# Altium PCB BananaBoard_PCB_4_LAYERS.PcbDoc (part 1 of 3)
Units mil, origin at the board's own origin, x right, y up, seen from the top; angles counter-clockwise.
Board outline 2710.63 x 4110.24 mil, 4 copper layers (ETCH_TOP, ETCH_2_GND, ETCH_3_POWER, ETCH_BOTTOM), stack 63.2 mil thick; 391 components, 164 nets, 1036 pads, 659 vias.
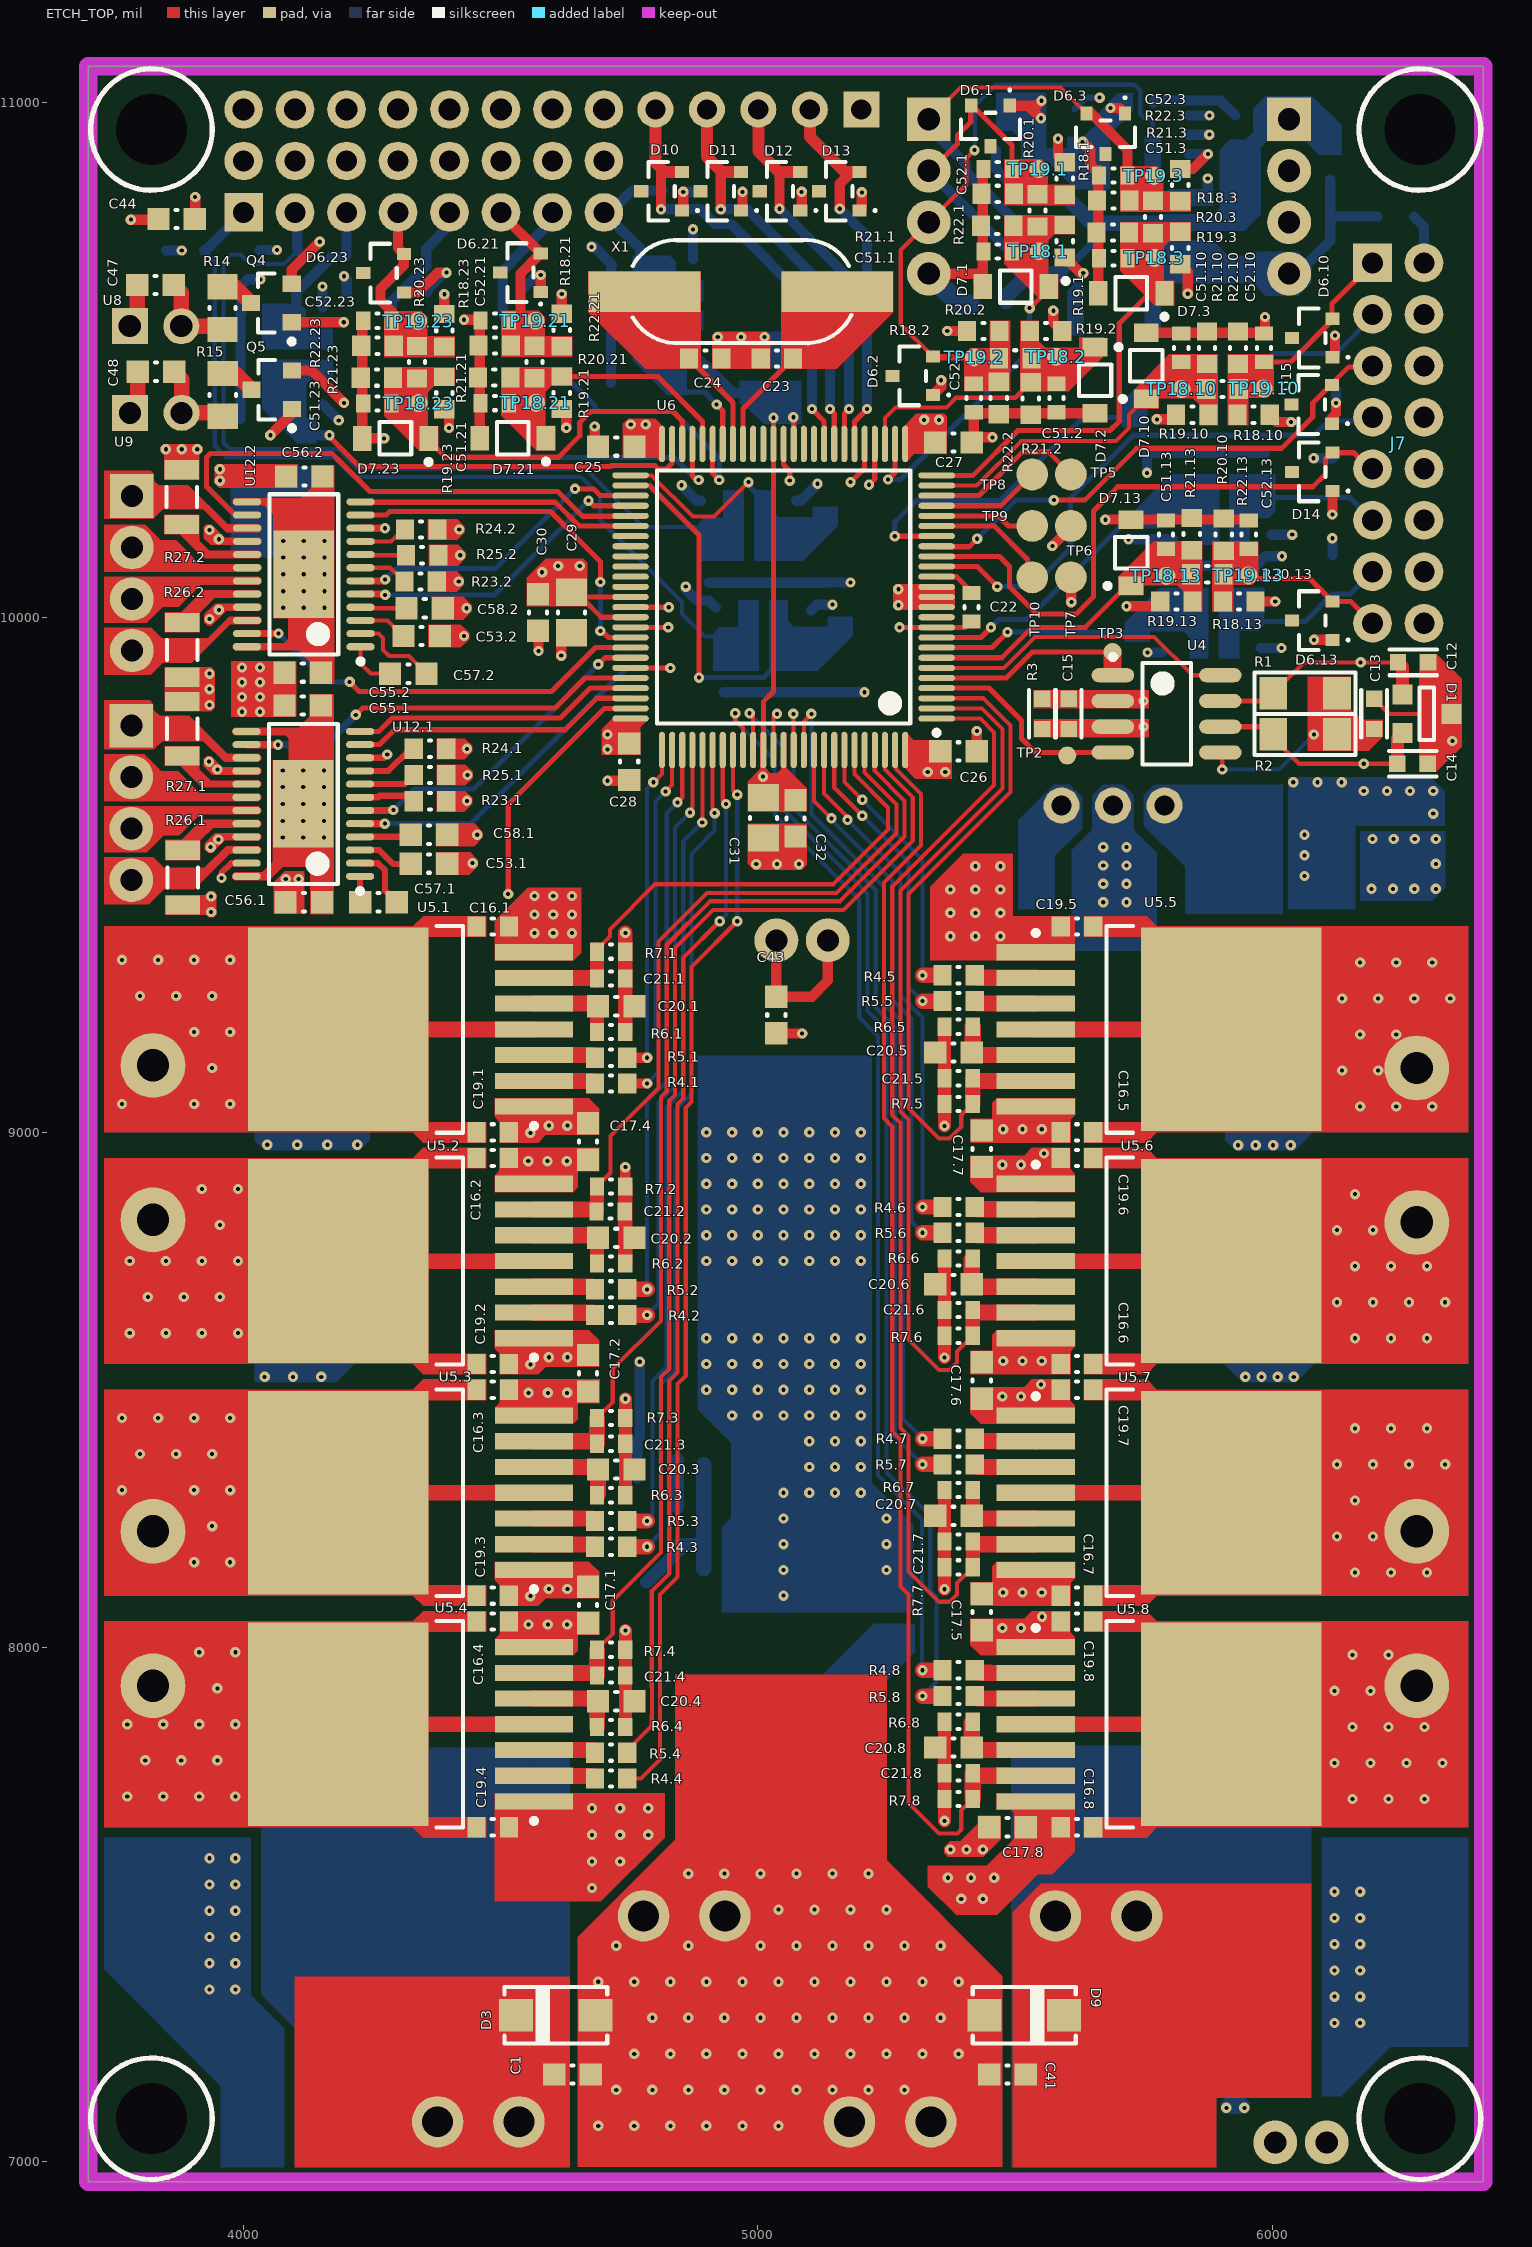
[diagram p0: ETCH_TOP view]
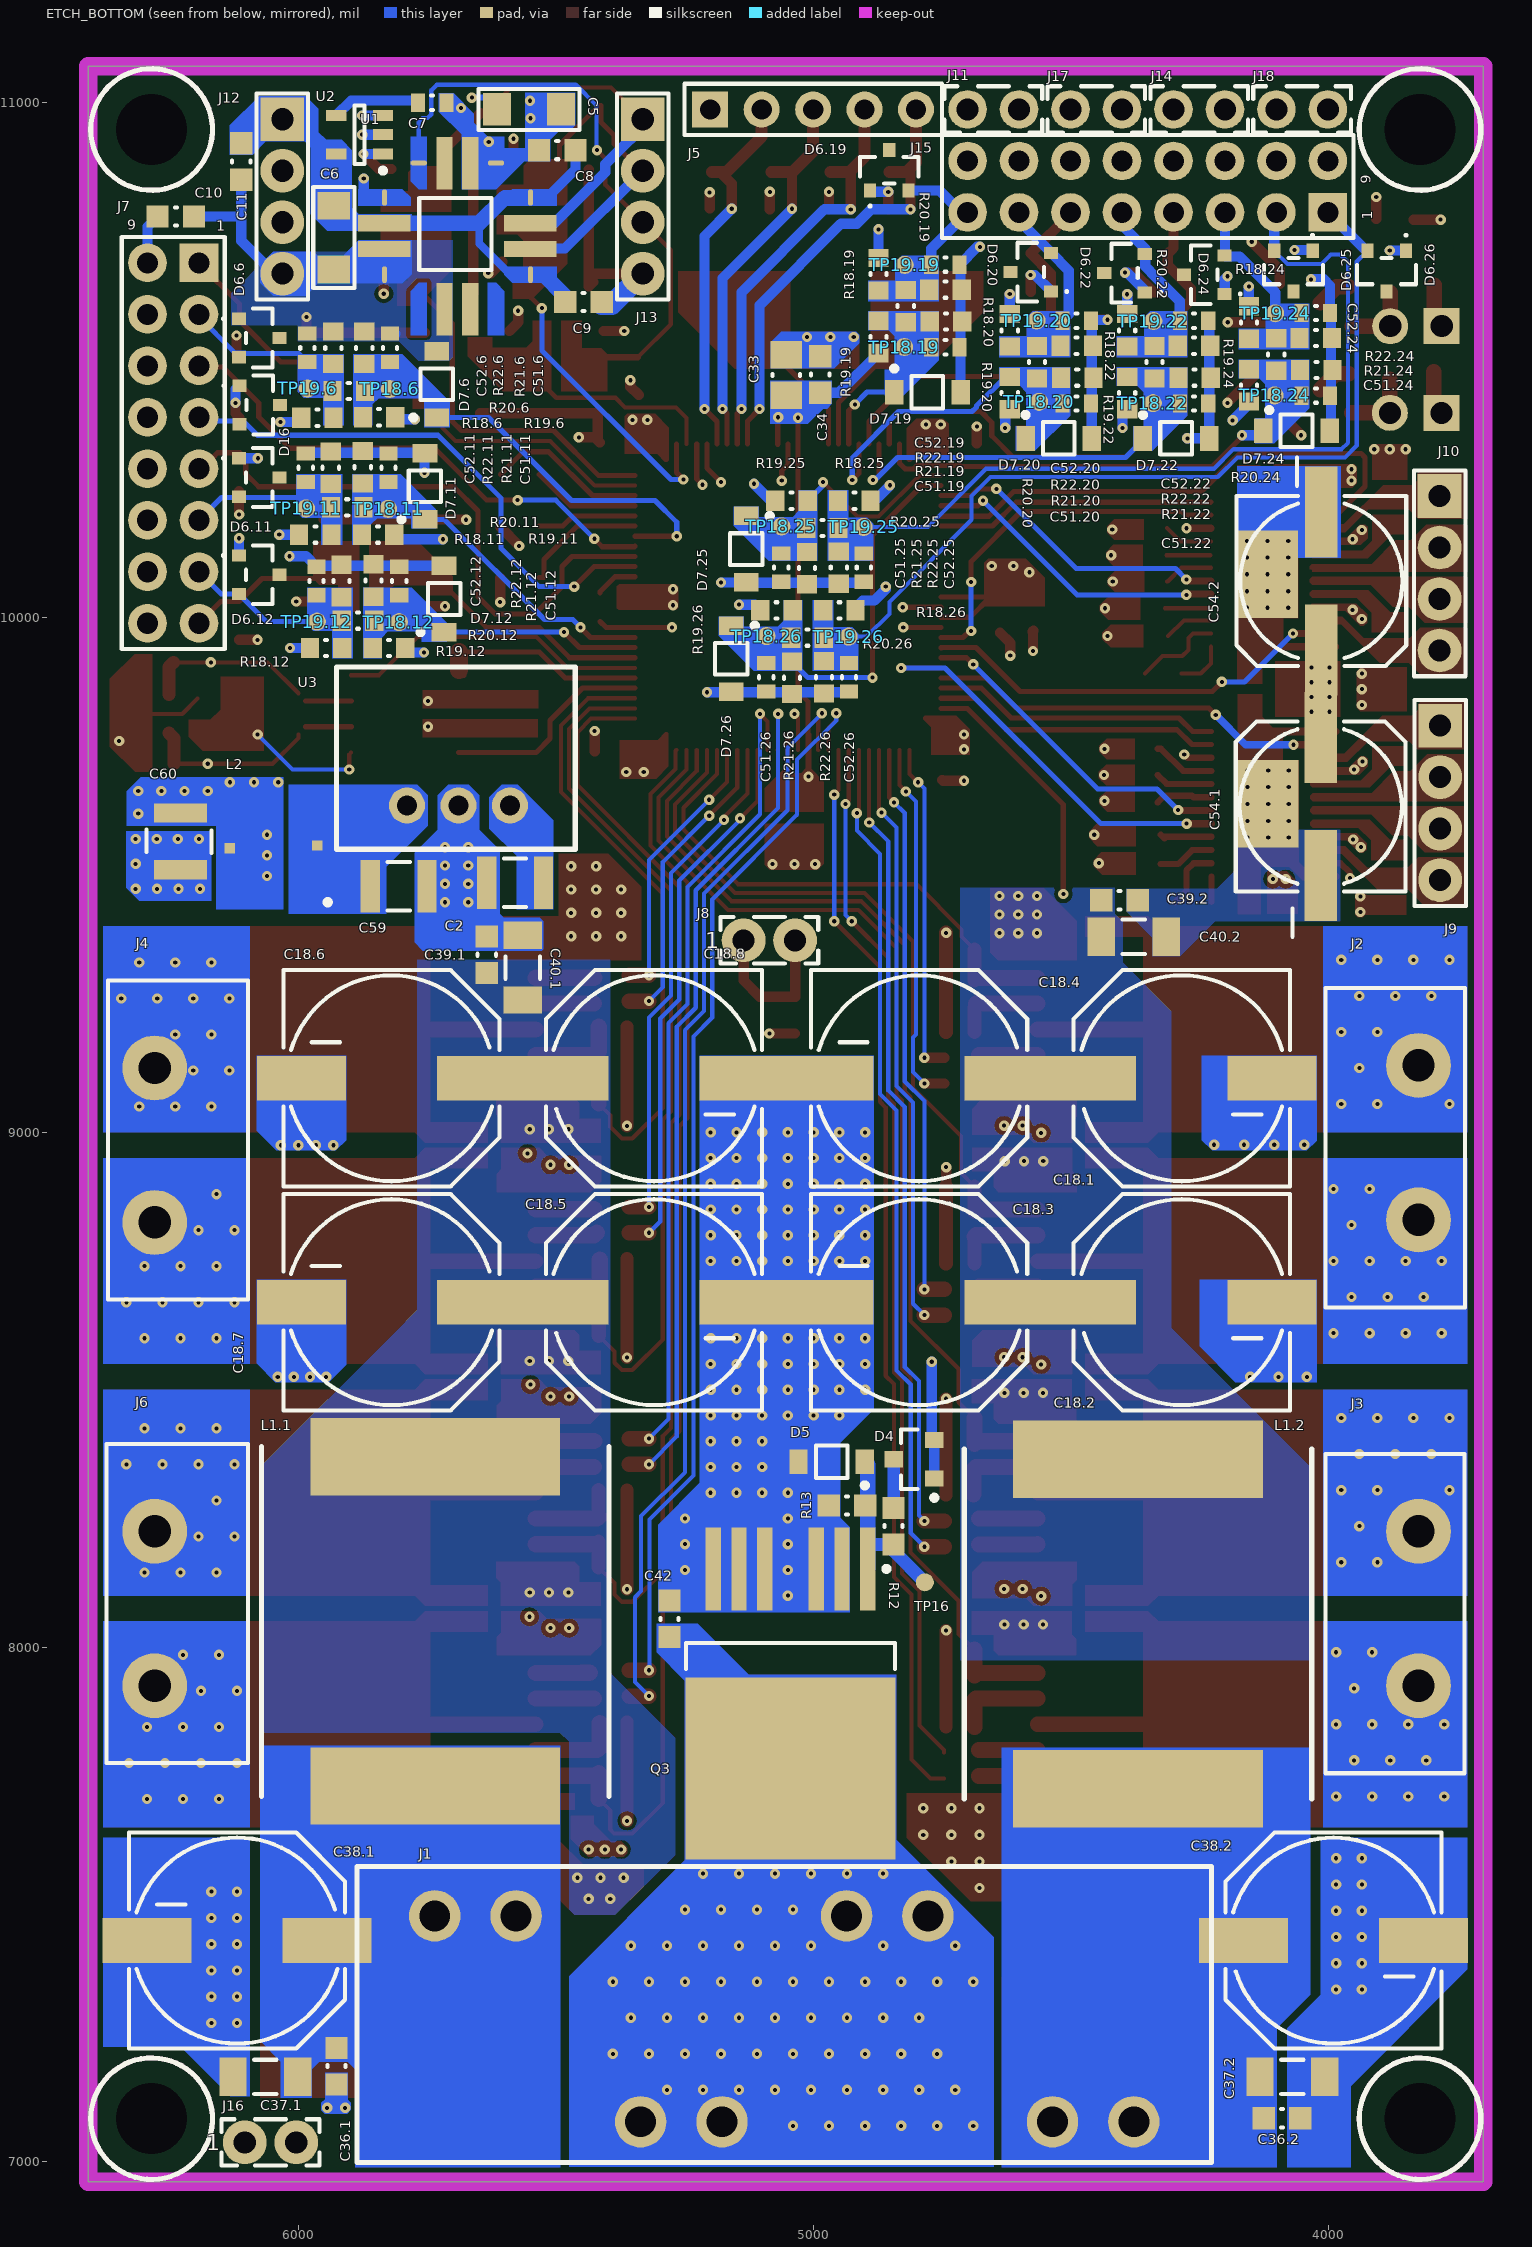
[diagram p1: ETCH_BOTTOM view, seen from below]
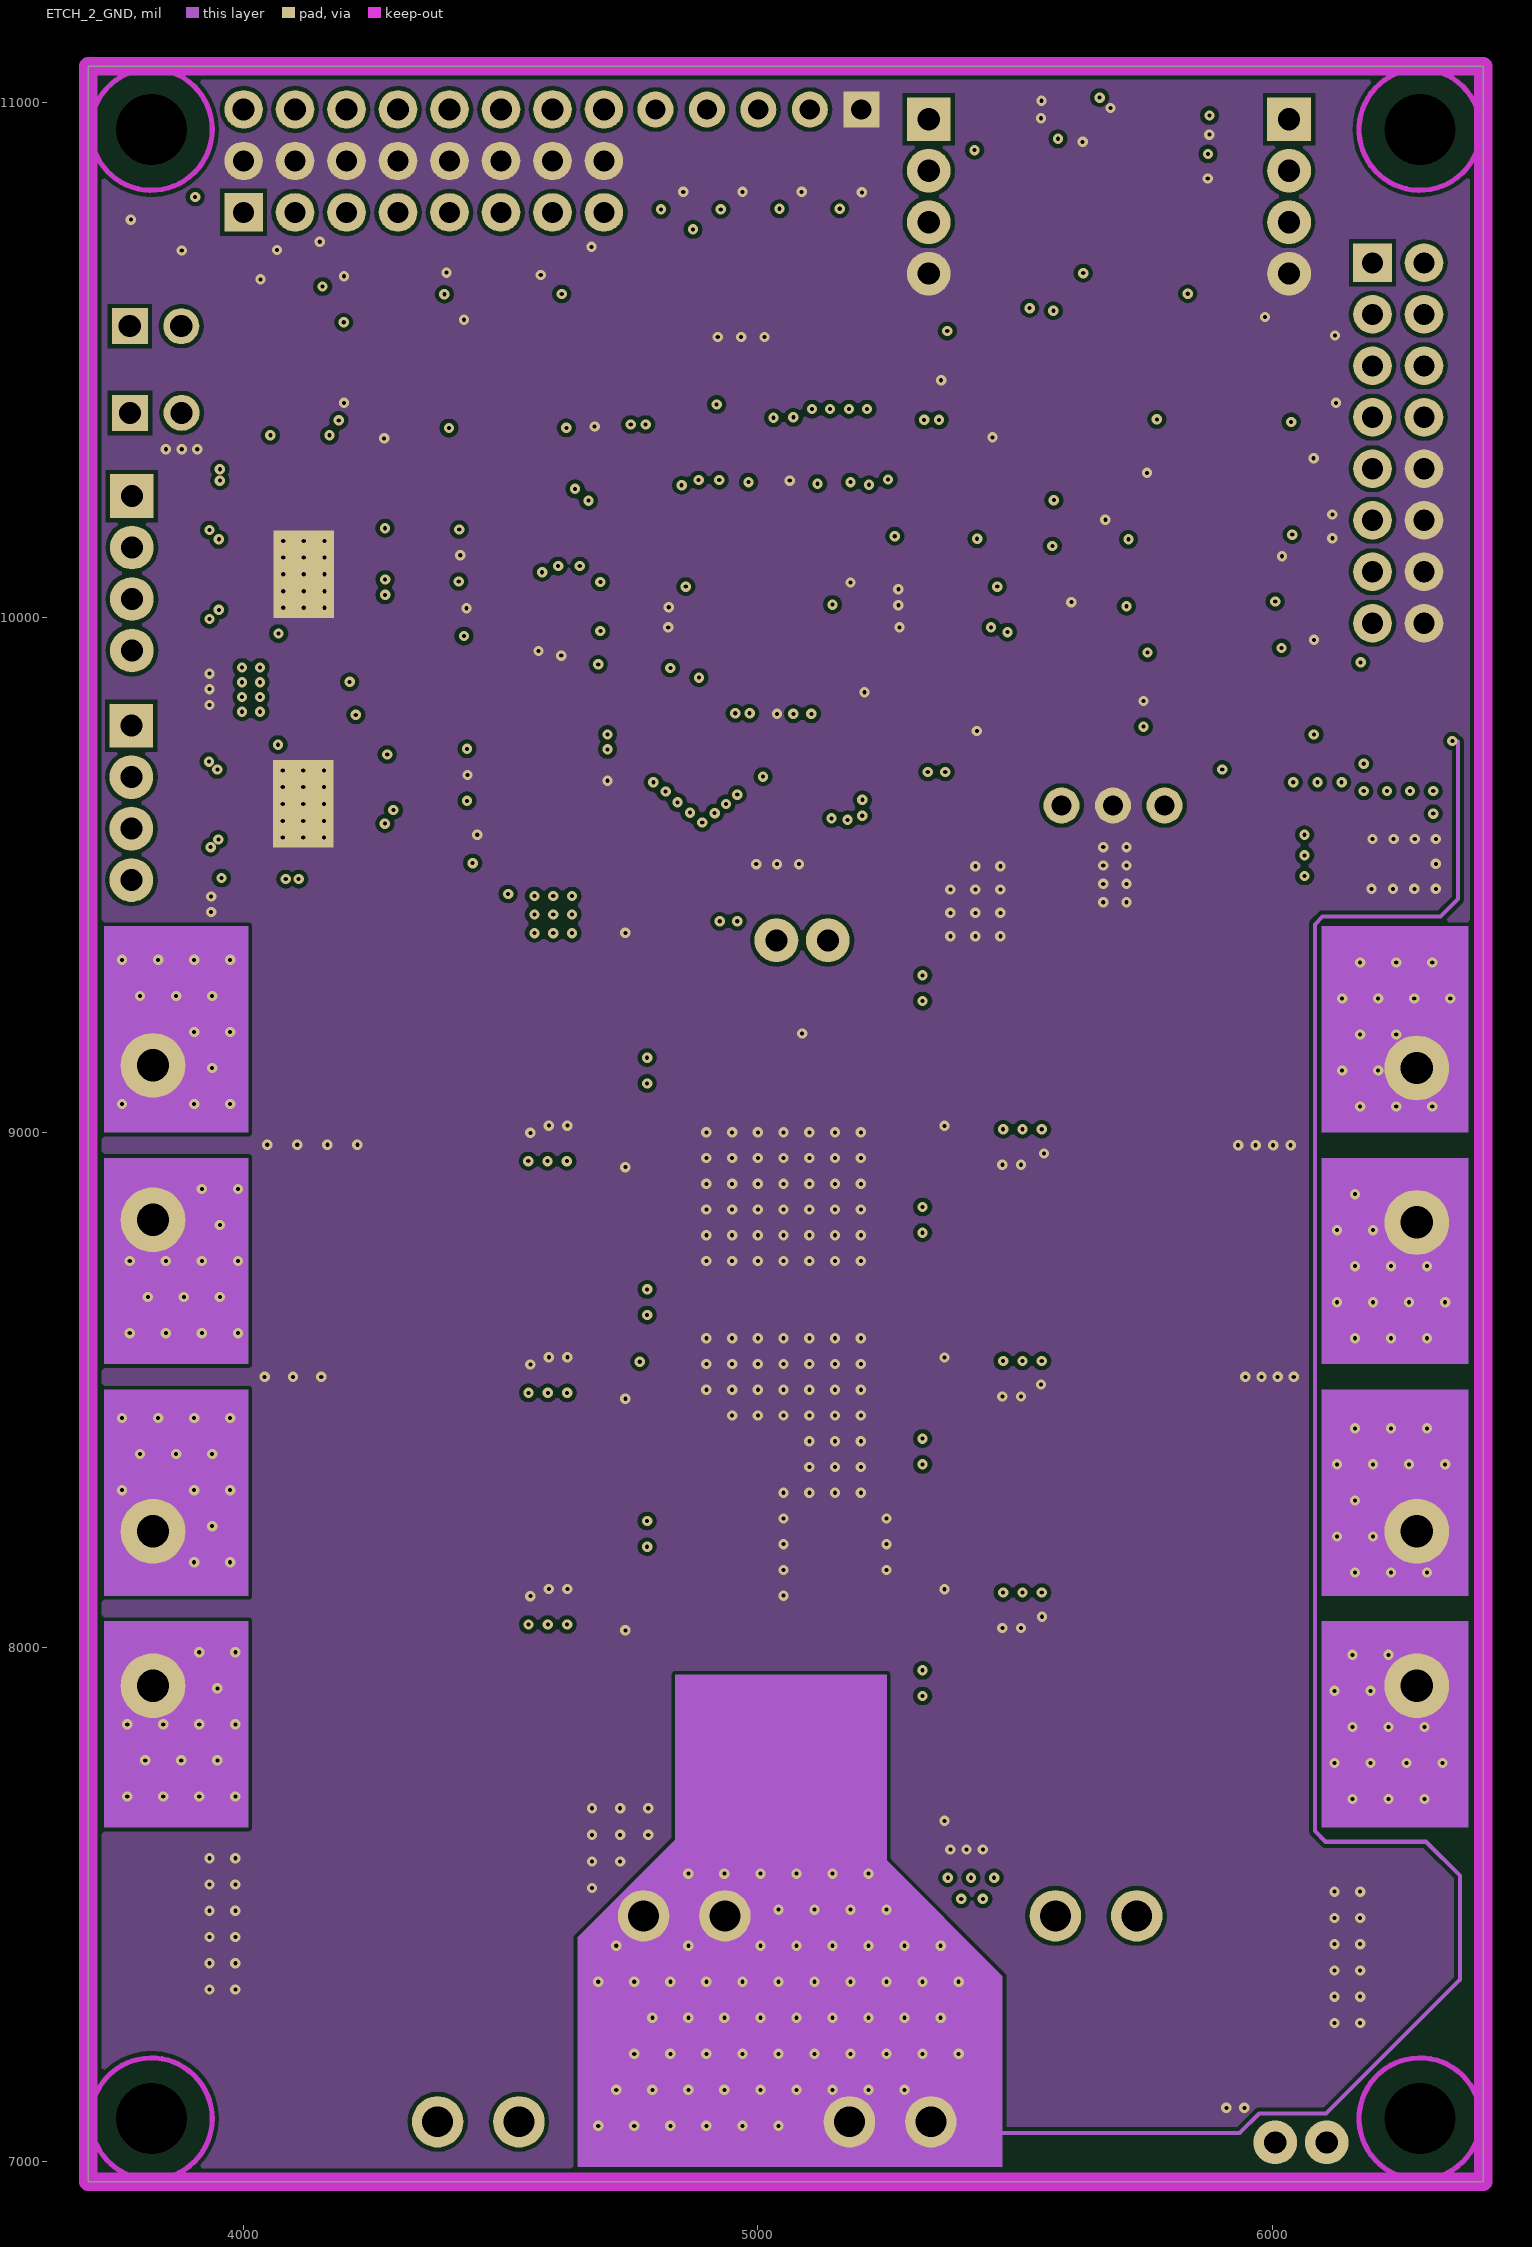
[diagram p2: ETCH_2_GND]
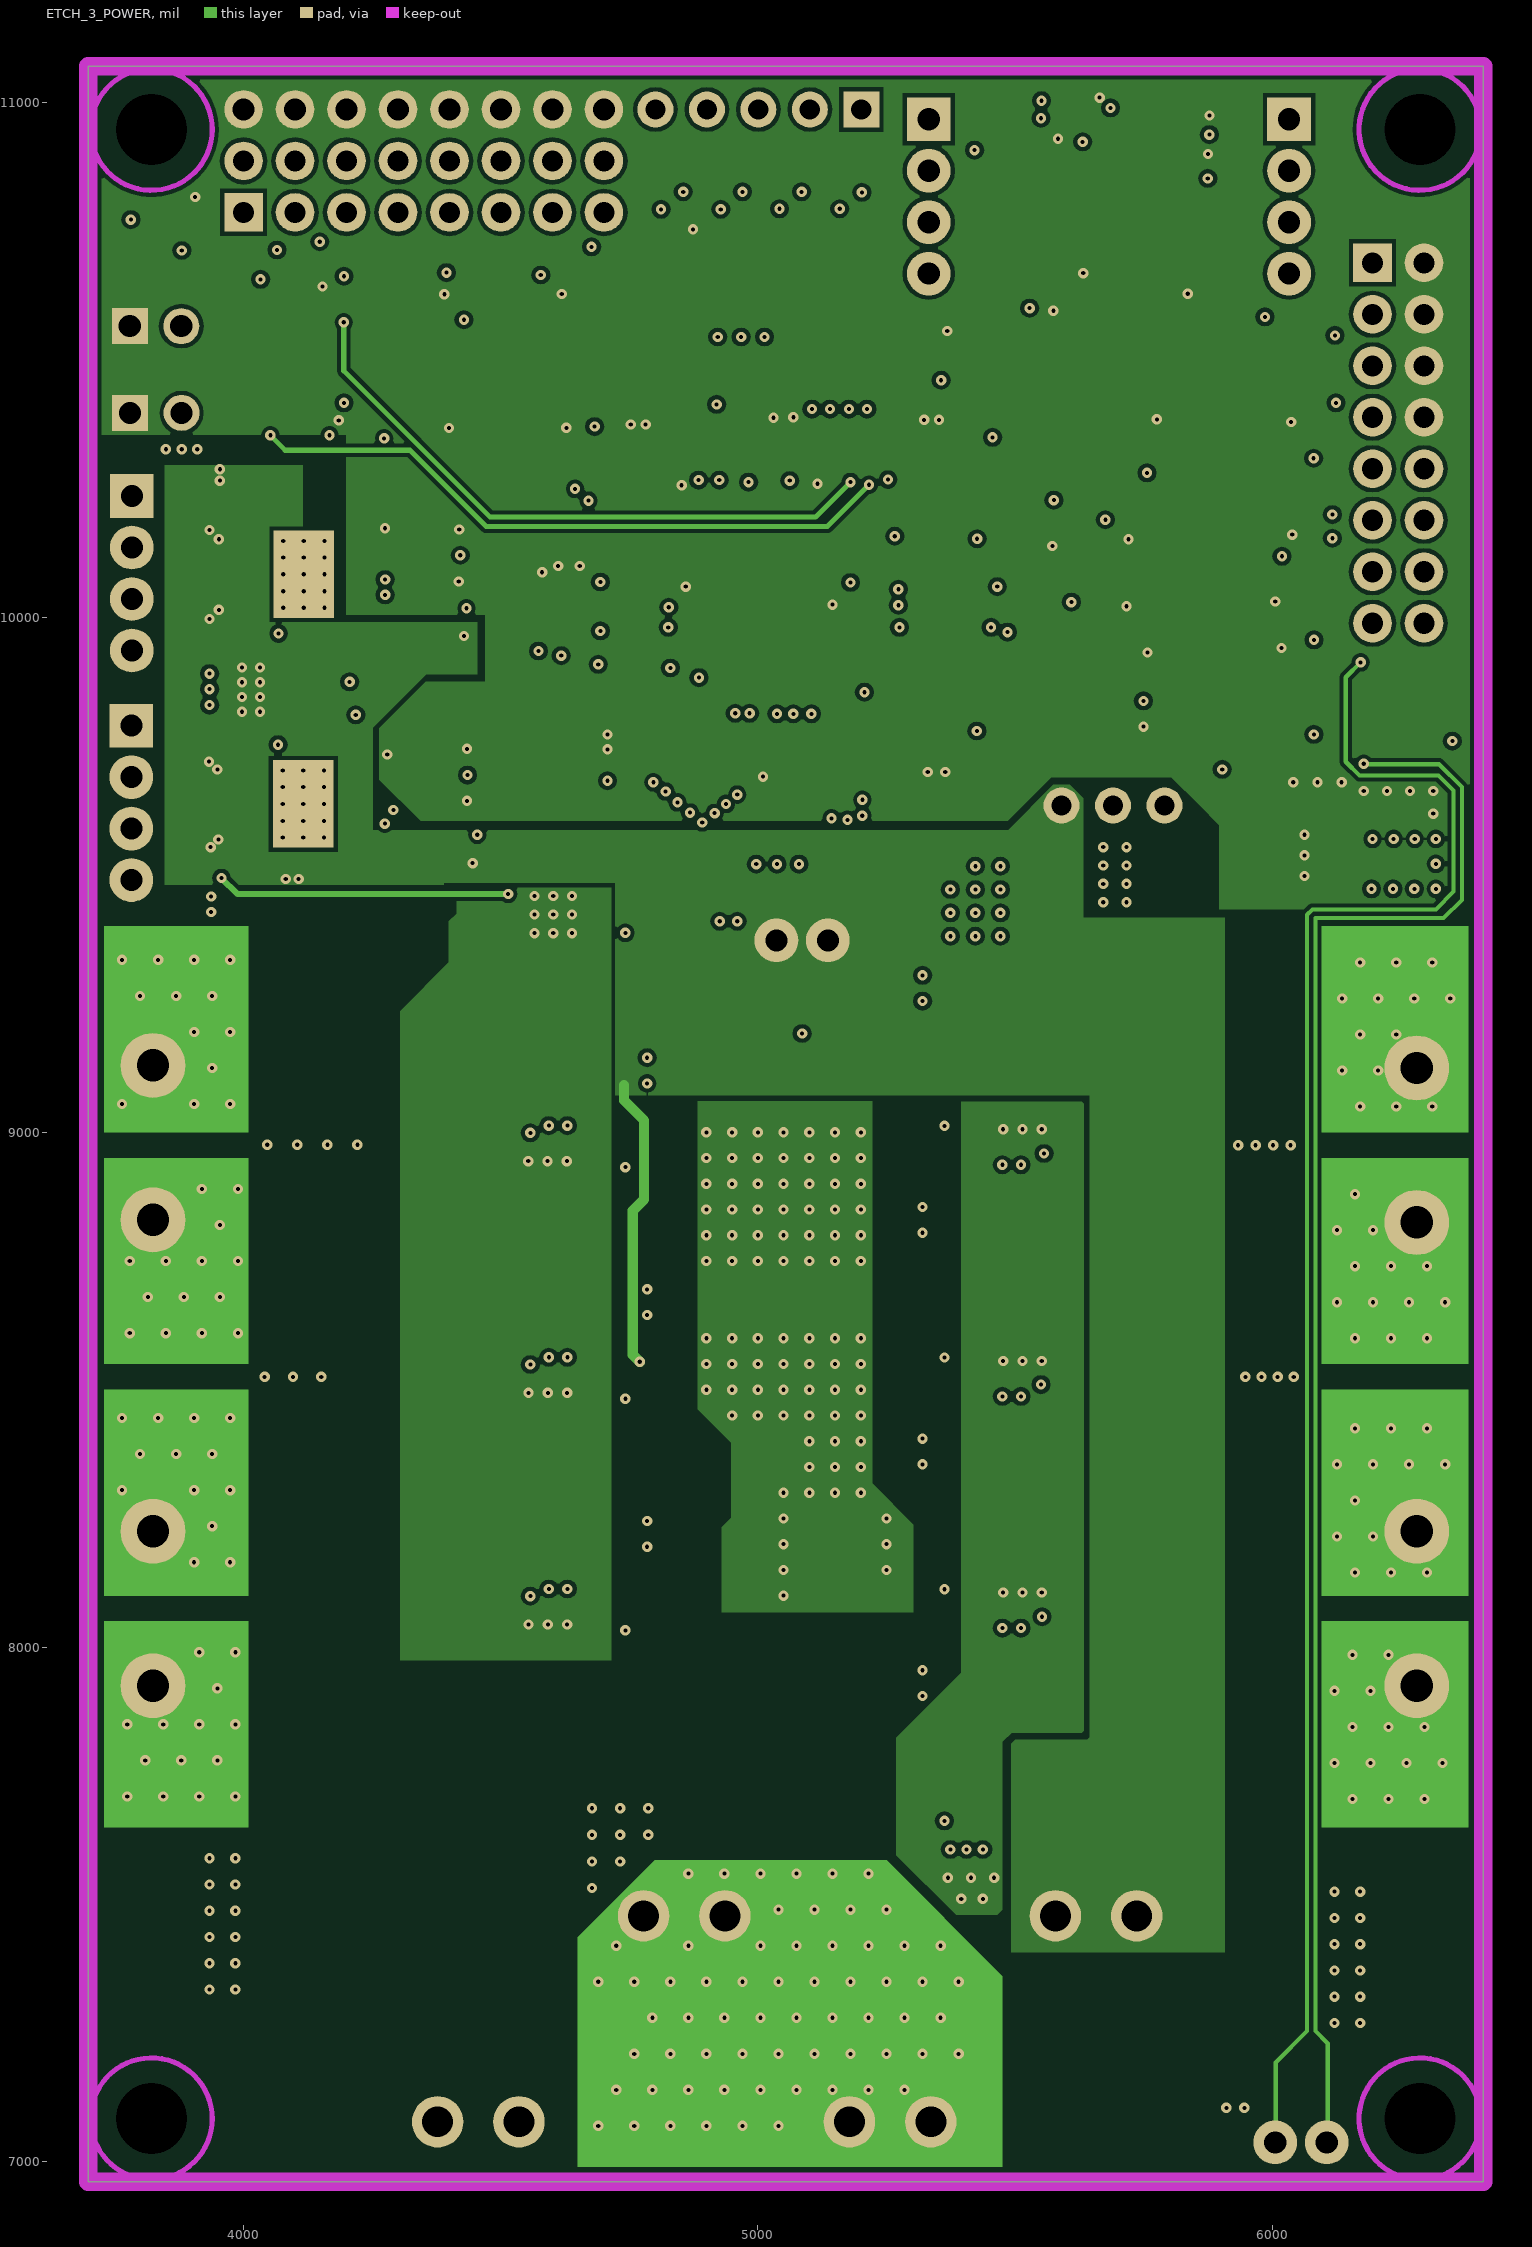
[diagram p3: ETCH_3_POWER]

## Layer stack, top to bottom
Top Solder: solder mask 0.7, Solder Resist, Dk 3.5
ETCH_TOP: signal copper 2.8
Dielectric1: prepreg 13.4, FR-4, Dk 4.8
ETCH_2_GND: signal copper 1.4
Dielectric2: core 28, FR-4, Dk 4.8
ETCH_3_POWER: signal copper 1.4
Dielectric3: prepreg 13.4, FR-4, Dk 4.8
ETCH_BOTTOM: signal copper 2.8
Bottom Solder: solder mask 0.7, Solder Resist, Dk 3.5

## Board outline
3698.87,6961.08 6409.5,6961.08 6409.5,11071.32 3698.87,11071.32

## Design rules (kind name [scope] priority, off if disabled: settings)
Clearance Clearance_uC [InComponent('U6') vs InComponent('U6')] p1: gap=6
Clearance Clearance_1 [All] p2: gap=8
Clearance "Stitching NetC17_U_HalfBridge5_1" [IsStitchingVia and InNet('NetC17_U_HalfBridge5_1') vs (IsVia and (Not IsStitchingVia)) Or IsPad] p3: gap=6
ComponentClearance [All] p1: gap=0 collisioncheckmode=3 verticalgap=0 showdistances=FALSE
Height [All] p1: minheight=0 maxheight=2000 prefheight=500
HoleSize [All] p1: absolutevalues=TRUE maxlimit=1000 minlimit=1 maxpercent=80.000 minpercent=20.000
PlaneConnect [All] p1: planeconnectstyle=Direct reliefexpansion=20 reliefentries=4 reliefconductorwidth=10 reliefairgap=10
PolygonConnect [All] p1: connectstyle=Direct reliefconductorwidth=10 reliefentries=4 polygonreliefangle="90 Angle" airgapwidth=10
RoomDefinition U_StepperMotorDriver2 [InComponentClass('U_StepperMotorDriver2')] p1: confinementstyle=ConfineIn formatcopy=TRUE lockcomponents=FALSE outline 0,0 2000,0 2000,1000 0,1000
RoomDefinition U_StepperMotorDriver1 [InComponentClass('U_StepperMotorDriver1')] p2: confinementstyle=ConfineIn formatcopy=TRUE lockcomponents=FALSE outline 0,0 2000,0 2000,1000 0,1000
RoomDefinition U_SerialComInterface [InComponentClass('U_SerialComInterface')] p3: confinementstyle=ConfineIn formatcopy=TRUE lockcomponents=FALSE outline 0,0 2000,0 2000,1000 0,1000
RoomDefinition U_RotarySensor [InComponentClass('U_RotarySensor')] p4: confinementstyle=ConfineIn formatcopy=TRUE lockcomponents=FALSE outline 0,0 2000,0 2000,1000 0,1000
RoomDefinition U_ReversePolarityProtection [InComponentClass('U_ReversePolarityProtection')] p5: confinementstyle=ConfineIn formatcopy=TRUE lockcomponents=FALSE outline 0,0 2000,0 2000,1000 0,1000
RoomDefinition U_PowerSupply [InComponentClass('U_PowerSupply')] p6: confinementstyle=ConfineIn formatcopy=TRUE lockcomponents=FALSE outline 0,0 2000,0 2000,1000 0,1000
RoomDefinition U_PowerFiltering2 [InComponentClass('U_PowerFiltering2')] p7: confinementstyle=ConfineIn formatcopy=TRUE lockcomponents=FALSE outline 0,0 2000,0 2000,1000 0,1000
RoomDefinition U_PowerFiltering1 [InComponentClass('U_PowerFiltering1')] p8: confinementstyle=ConfineIn formatcopy=TRUE lockcomponents=FALSE outline 0,0 2000,0 2000,1000 0,1000
RoomDefinition U_MultiPurposeIOProtection16 [InComponentClass('U_MultiPurposeIOProtection16')] p9: confinementstyle=ConfineIn formatcopy=TRUE lockcomponents=FALSE outline 0,0 2000,0 2000,1000 0,1000
RoomDefinition U_MultiPurposeIOProtection15 [InComponentClass('U_MultiPurposeIOProtection15')] p10: confinementstyle=ConfineIn formatcopy=TRUE lockcomponents=FALSE outline 0,0 2000,0 2000,1000 0,1000
RoomDefinition U_MultiPurposeIOProtection14 [InComponentClass('U_MultiPurposeIOProtection14')] p11: confinementstyle=ConfineIn formatcopy=TRUE lockcomponents=FALSE outline 0,0 2000,0 2000,1000 0,1000
RoomDefinition U_MultiPurposeIOProtection13 [InComponentClass('U_MultiPurposeIOProtection13')] p12: confinementstyle=ConfineIn formatcopy=TRUE lockcomponents=FALSE outline 0,0 2000,0 2000,1000 0,1000
RoomDefinition U_MultiPurposeIOProtection12 [InComponentClass('U_MultiPurposeIOProtection12')] p13: confinementstyle=ConfineIn formatcopy=TRUE lockcomponents=FALSE outline 0,0 2000,0 2000,1000 0,1000
RoomDefinition U_MultiPurposeIOProtection11 [InComponentClass('U_MultiPurposeIOProtection11')] p14: confinementstyle=ConfineIn formatcopy=TRUE lockcomponents=FALSE outline 0,0 2000,0 2000,1000 0,1000
RoomDefinition U_MultiPurposeIOProtection10 [InComponentClass('U_MultiPurposeIOProtection10')] p15: confinementstyle=ConfineIn formatcopy=TRUE lockcomponents=FALSE outline 0,0 2000,0 2000,1000 0,1000
RoomDefinition U_MultiPurposeIOProtection9 [InComponentClass('U_MultiPurposeIOProtection9')] p16: confinementstyle=ConfineIn formatcopy=TRUE lockcomponents=FALSE outline 0,0 2000,0 2000,1000 0,1000
RoomDefinition U_MultiPurposeIOProtection8 [InComponentClass('U_MultiPurposeIOProtection8')] p17: confinementstyle=ConfineIn formatcopy=TRUE lockcomponents=FALSE outline 0,0 2000,0 2000,1000 0,1000
RoomDefinition U_MultiPurposeIOProtection7 [InComponentClass('U_MultiPurposeIOProtection7')] p18: confinementstyle=ConfineIn formatcopy=TRUE lockcomponents=FALSE outline 0,0 2000,0 2000,1000 0,1000
RoomDefinition U_MultiPurposeIOProtection6 [InComponentClass('U_MultiPurposeIOProtection6')] p19: confinementstyle=ConfineIn formatcopy=TRUE lockcomponents=FALSE outline 0,0 2000,0 2000,1000 0,1000
RoomDefinition U_MultiPurposeIOProtection5 [InComponentClass('U_MultiPurposeIOProtection5')] p20: confinementstyle=ConfineIn formatcopy=TRUE lockcomponents=FALSE outline 0,0 2000,0 2000,1000 0,1000
RoomDefinition U_MultiPurposeIOProtection4 [InComponentClass('U_MultiPurposeIOProtection4')] p21: confinementstyle=ConfineIn formatcopy=TRUE lockcomponents=FALSE outline 0,0 2000,0 2000,1000 0,1000
RoomDefinition U_MultiPurposeIOProtection3 [InComponentClass('U_MultiPurposeIOProtection3')] p22: confinementstyle=ConfineIn formatcopy=TRUE lockcomponents=FALSE outline 0,0 2000,0 2000,1000 0,1000
RoomDefinition U_MultiPurposeIOProtection2 [InComponentClass('U_MultiPurposeIOProtection2')] p23: confinementstyle=ConfineIn formatcopy=TRUE lockcomponents=FALSE outline 0,0 2000,0 2000,1000 0,1000
RoomDefinition U_MultiPurposeIOProtection1 [InComponentClass('U_MultiPurposeIOProtection1')] p24: confinementstyle=ConfineIn formatcopy=TRUE lockcomponents=FALSE outline 0,0 2000,0 2000,1000 0,1000
RoomDefinition U_MainController [InComponentClass('U_MainController')] p25: confinementstyle=ConfineIn formatcopy=TRUE lockcomponents=FALSE outline 0,0 2000,0 2000,1000 0,1000
RoomDefinition U_LEDsDrivers [InComponentClass('U_LEDsDrivers')] p26: confinementstyle=ConfineIn formatcopy=TRUE lockcomponents=FALSE outline 0,0 2000,0 2000,1000 0,1000
RoomDefinition U_HalfBridge8 [InComponentClass('U_HalfBridge8')] p27: confinementstyle=ConfineIn formatcopy=TRUE lockcomponents=FALSE outline 0,0 2000,0 2000,1000 0,1000
RoomDefinition U_HalfBridge7 [InComponentClass('U_HalfBridge7')] p28: confinementstyle=ConfineIn formatcopy=TRUE lockcomponents=FALSE outline 0,0 2000,0 2000,1000 0,1000
RoomDefinition U_HalfBridge6 [InComponentClass('U_HalfBridge6')] p29: confinementstyle=ConfineIn formatcopy=TRUE lockcomponents=FALSE outline 0,0 2000,0 2000,1000 0,1000
RoomDefinition U_HalfBridge5 [InComponentClass('U_HalfBridge5')] p30: confinementstyle=ConfineIn formatcopy=TRUE lockcomponents=FALSE outline 0,0 2000,0 2000,1000 0,1000
RoomDefinition U_HalfBridge4 [InComponentClass('U_HalfBridge4')] p31: confinementstyle=ConfineIn formatcopy=TRUE lockcomponents=FALSE outline 0,0 2000,0 2000,1000 0,1000
RoomDefinition U_HalfBridge3 [InComponentClass('U_HalfBridge3')] p32: confinementstyle=ConfineIn formatcopy=TRUE lockcomponents=FALSE outline 0,0 2000,0 2000,1000 0,1000
RoomDefinition U_HalfBridge2 [InComponentClass('U_HalfBridge2')] p33: confinementstyle=ConfineIn formatcopy=TRUE lockcomponents=FALSE outline 0,0 2000,0 2000,1000 0,1000
RoomDefinition U_HalfBridge1 [InComponentClass('U_HalfBridge1')] p34: confinementstyle=ConfineIn formatcopy=TRUE lockcomponents=FALSE outline 0,0 2000,0 2000,1000 0,1000
RoomDefinition U_CANDriver [InComponentClass('U_CANDriver')] p35: confinementstyle=ConfineIn formatcopy=TRUE lockcomponents=FALSE outline 0,0 2000,0 2000,1000 0,1000
RoomDefinition U_Accelerometer [InComponentClass('U_Accelerometer')] p36: confinementstyle=ConfineIn formatcopy=TRUE lockcomponents=FALSE outline 0,0 2000,0 2000,1000 0,1000
RoomDefinition U_5VSwitching1ARegulator [InComponentClass('U_5VSwitching1ARegulator')] p37: confinementstyle=ConfineIn formatcopy=TRUE lockcomponents=FALSE outline 0,0 2000,0 2000,1000 0,1000
RoutingVias [All] p1: holewidth=28 width=50 viastyle="Through Hole" minholewidth=28 minwidth=50 maxholewidth=28 maxwidth=50
SilkToSilkClearance [All] p1: silktosilkclearance=2
SilkToSolderMaskClearance SilkscreenOverComponentPads [IsPad] p1: minsilkscreentomaskgap=2 clearancetoexposedcopper=TRUE
SolderMaskExpansion [All] p1: expansion=0
UnpouredPolygon [All] p1: allowunpoured=FALSE
Width [All] p1: maxlimit=100 minlimit=6 preferedwidth=10
23 further rules are at their usual default settings.
